# KiCad board DCTransistor_Bidirectional.kicad_pcb (continued)
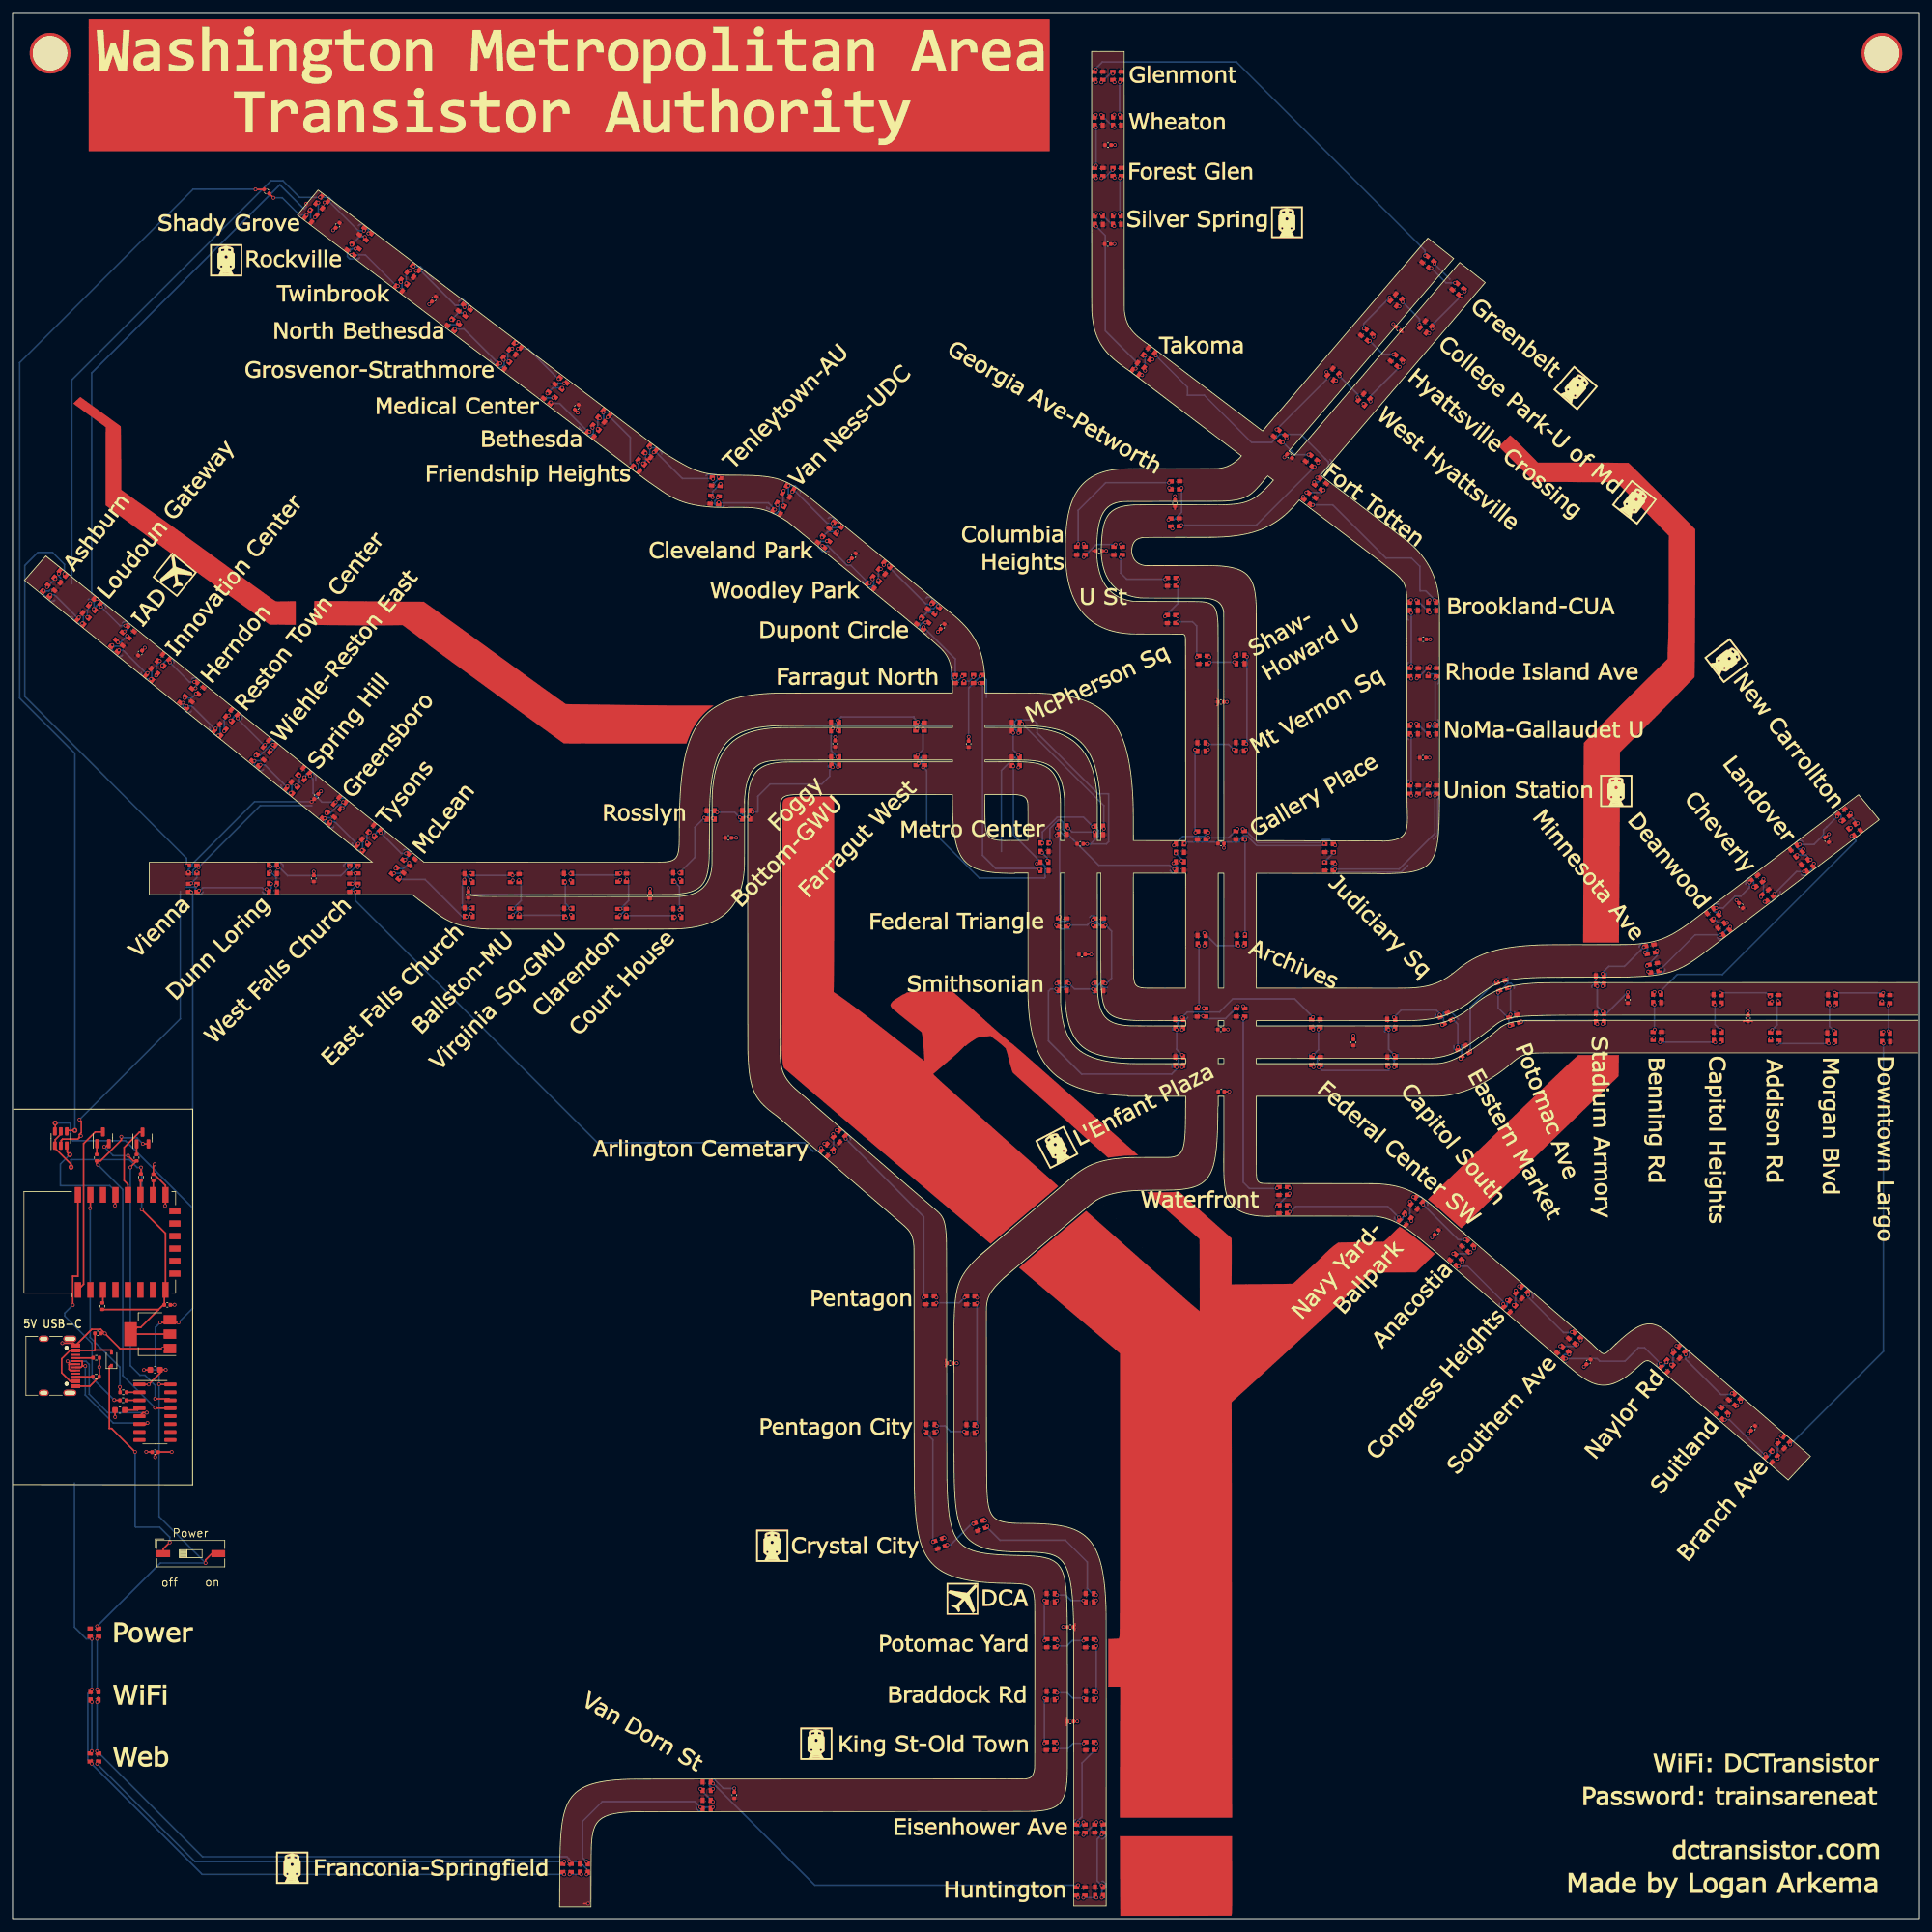
[diagram p0: board, top side]
## Routing (per net, layer and track width the routed paths; a pad name or vN(x,y) marks a point on that pad's centre or on a via; arc(x,y) is an arc through that point) (continued)
  Bottom w0.25: 208.52,136.83 209.04,136.83 209.49,136.38 209.49,136.24 ; 208.52,136.83 207.93,136.24 v1(207.93,136.24) ; 208.52,136.83 208.54,136.86 208.54,137.94 208.18,137.58 207.66,137.58 207.3,137.94 207.3,138.28 ; 131.01,222.45 131.7,222.45 v1(132.19,222.94) 132.19,223 131.07,224.12 130.55,224.12 130.38,223.96 ; 173.27,159.53 172.66,158.92 v1(172.64,158.92) ; 173.27,159.53 173.27,159.48 174.05,158.71 ; 173.27,159.53 173.27,160.05 172.91,160.41 172.39,160.41 172.17,160.2 ; 31.42,190.55 31.49,190.49 31.49,190.24 32.49,189.24 v1(32.87,189.24) 33.19,189.56 33.19,190.5 ; v1(137.48,214.23) 137.64,214.07 137.64,213.32 137.28,212.95 136.76,212.95 135.83,213.88 135.83,213.96 ; 160.2,190.29 160.8,189.69 v1(160.8,189.65) ; 160.2,190.29 159.68,190.29 ; 160.2,190.29 160.2,191.43 160.18,191.45 160.47,191.74 163.17,191.74 163.76,191.15 163.76,189.67 173.5,179.93 175.19,179.93 175.19,172.25 174.85,171.91 172.31,171.91 ; 187.85,144.19 187.22,143.56 186.66,143.56 186.25,143.97 186.25,142.91 186.33,142.83 ; v1(41.2,168.31) 41.75,168.31 42.35,168.91 42.87,168.91 43.26,168.52 43.26,168.19 ; 168.82,148.94 168.65,148.94 168.25,149.34 168.25,149.86 ; v1(55.19,165.24) 54.89,165.24 54.32,164.67 54.24,164.67 ; 146.8,209.53 147.26,209.53 147.67,209.94 v1(147.96,209.94) 147.96,210.09 146.72,211.33 146.2,211.33 146.03,211.17 ; v1(227.29,264.62) 229.72,262.19 229.72,262.18 ; 238.99,149.63 239.51,149.63 240.03,149.11 240.03,148.83 ; 238.99,149.63 237.51,148.15 v1(237.45,148.15) 237.45,145.72 239.16,144.01 ; 238.99,149.63 238.99,150.56 238.99,150.56 ; 160.79,185.26 161.26,185.72 ; 160.79,185.26 160.75,185.26 160.2,185.8 158.05,183.65 158.05,170.7 ; 160.79,185.26 v1(160.79,184.13) ; v1(260.9,154.54) 261.34,154.98 261.34,155.68 260.98,156.04 260.46,156.04 260.01,155.59 260.01,155.39 ; 227.09,172.65 227.8,173.36 227.8,179.04 227.98,179.22 227.98,179.9 227.62,180.26 227.1,180.26 226.54,179.7 v1(226.54,179.62) ; 220.89,112.25 220.89,112 221.33,111.57 221.85,111.57 222.21,111.93 222.21,112.19 v1(222.64,112.62) ; v1(166.84,149.59) 166.87,149.59 167.46,149 ; 131.9,190.78 131.9,190.1 v1(131.85,190.05) ; 131.9,190.78 131.49,191.18 ; 131.9,190.78 131.93,190.78 132.37,191.22 ; v1(265.95,91.68) 266.92,91.68 268.03,90.57 268.03,90.01 267.86,89.84 ; v1(71.28,255.38) 71.28,255.11 71.08,254.91 69.93,254.91 ; 230.39,139.65 230.39,139.16 230.75,138.8 231.27,138.8 231.63,139.16 231.63,139.51 ; 5.99,212.51 5.82,212.34 5.01,212.34 v1(4.95,212.4) 4.95,211.76 6,210.71 6.58,210.71 6.75,210.88 ; 12.08,210.94 12.15,211 12.67,211 13.03,210.64 13.03,209.53 v1(12.96,209.46) 13.53,210.03 13.53,210.07 13.89,210.43 14.41,210.43 14.94,209.91 14.94,209.66 ; 62.55,170.95 62.63,171.02 63.15,171.02 63.51,170.66 63.51,170.14 63.15,169.78 63.14,169.78 v1(62.76,169.4) ; 174.12,6.09 174.35,6.09 174.71,5.73 174.71,5.21 174.1,4.6 v1(174.1,3.5) ; v1(185.55,168.83) 185.62,168.83 186.3,168.15 186.3,167.63 185.94,167.27 185.42,167.27 185.06,167.63 185.06,167.72 ; v1(56.88,269.49) 56.88,270.08 56.06,270.9 55.45,270.9 55.28,270.73 ; v1(196.64,174.3) 196.87,174.3 199.06,172.11 209.04,172.11 209.04,172.24 209.39,172.59 210.51,172.59 v1(211.41,171.69) ; 237.65,98.47 237.65,98.11 238.01,97.75 238.53,97.75 238.89,98.11 238.89,98.97 v1(238.86,99) ; 167.46,149 167.46,148.48 167.1,148.12 166.75,148.12 ; 167.46,149 168.57,149 ; 113.2,227.26 112.72,227.26 v1(112.7,227.28) 112.7,227.21 112.25,226.76 112.25,226.24 112.69,225.81 113.58,225.81 113.75,225.98 ; 209.35,142.23 209.35,142.52 208.99,142.88 208.47,142.88 207.88,142.29 v1(207.88,142.23) ; 9.55,208.26 9.55,208.01 10.4,207.16 v1(11.14,207.16) 11.32,207.34 11.32,208.22 ; 221.45,138.26 221.45,137.94 220.85,137.34 220.85,137.3 ; v1(220.8,142.22) 220.8,142.24 220.21,142.83 219.69,142.83 219.33,142.47 219.33,141.95 219.39,141.89 ; 125.95,228.06 125.95,228.31 125.1,229.16 v1(124.03,229.16) 124.01,229.14 124.01,227.85 ; 133.96,124.66 133.96,124.91 132.7,126.16 v1(131.72,126.16) ; 44.64,181.27 44.64,180.25 v1(44.46,180.07) 43.91,180.07 42.91,181.06 42.91,181.31 ; 97.71,161.11 97.13,160.52 v1(97.07,160.52) ; 243,99.36 243.01,99.37 243.01,99.96 241.75,101.21 v1(240.79,101.21) ; 169.9,15.96 169.71,15.77 169.71,15.25 170.07,14.89 170.59,14.89 171.17,15.47 v1(171.17,15.54) ; 101.85,234.18 101.85,235.24 v1(101.85,235.24) 103.03,235.24 103.78,234.5 103.78,234.25 ; 282.57,164.29 282.56,164.28 282.56,164.03 281.19,162.67 v1(280.03,162.67) ; v1(151.8,198.69) 151.01,197.9 150.42,197.9 150.06,198.26 150.06,199.92 150.23,200.09 ; 76.42,249.32 76.42,249.24 77.58,248.08 78.22,248.08 78.59,248.45 78.59,249.21 v1(78.52,249.28) 78.48,249.28 78.13,249.63 ; 159.68,190.29 159.32,189.93 159.32,189.53 ; 159.68,190.29 159.68,191.52 159.69,191.53 ; 112.11,229.61 112.19,229.61 112.84,230.26 v1(112.84,230.57) 112.45,230.95 111.02,230.95 110.83,230.76 ; 231.63,139.51 231.63,137.72 v1(231.46,137.55) ; 231.63,139.51 231.63,139.78 231.64,139.79 ; 36.7,191.84 36.7,192.32 36.32,192.7 35.8,192.7 35.44,192.34 35.44,192.26 v1(34.83,191.65) ; 220.85,137.3 220.21,137.94 220.21,138.12 ; 220.85,137.3 v1(220.85,136.21) ; v1(64.12,264.21) 65.2,264.21 67.29,262.12 ; 120.55,225.76 120.55,225.55 120.93,225.55 120.96,225.52 120.96,225.39 121.61,224.74 122.14,224.74 122.51,225.1 122.51,225.81 v1(122.25,226.07) 122.03,226.07 121.79,226.3 ; v1(17.94,205.88) 17.97,205.88 18.63,206.54 18.63,207.06 18.27,207.42 17.75,207.42 17.58,207.26 ; v1(211.43,168.73) 211.38,168.73 210.79,168.14 210.79,167.62 211.15,167.26 211.86,167.26 212.03,167.43 221.97,167.43 223.04,168.5 ; 173.33,148.99 173.33,149.11 174.03,149.8 ; 173.33,148.99 172.75,149.57 v1(172.7,149.57) ; 173.33,148.99 173.33,148.47 172.97,148.11 172.63,148.11 ; v1(264.4,89.07) 264.05,88.72 264.05,88.57 263.69,88.21 263.17,88.21 262.81,88.57 262.81,88.81 ; v1(228.53,142.96) 228.73,143.16 228.73,144.95 ; 22.25,199.46 22.25,198.4 v1(22.13,198.28) 21.38,198.28 20.58,199.07 20.58,199.32 ; v1(86.42,243.2) 85.45,243.2 85.45,243.2 ; v1(248.81,90.3) 248.05,90.3 247.65,89.9 247.65,89.38 248.01,89.02 248.34,89.02 ; 145.28,184.75 145.28,185.82 144.98,185.52 144.42,185.52 144.06,185.88 144.06,186.07 ; 145.28,184.75 145.8,184.75 146.16,184.39 146.16,184.25 ; 145.28,184.75 144.82,184.75 v1(144.8,184.77) ; 264.12,151.92 264.12,151.67 263.67,151.23 261.73,151.23 v1(261.44,151.52) ; 61.91,167.22 61.9,167.21 v1(60.98,167.21) ; 253.02,149.8 252.43,149.21 252.43,149 ; 253.02,149.8 253.56,149.8 254.15,149.21 v1(254.15,149.16) ; 253.02,149.8 253.02,151.22 253.71,150.53 254.41,150.53 254.77,150.89 254.77,151.31 ; v1(47.52,273.24) 47.64,273.12 47.64,272.04 47.64,272.04 ; 290.99,176.27 290.99,176.52 291.37,176.9 291.89,176.9 292.25,176.54 292.25,175.68 v1(292.18,175.61) ; 226.19,114.17 226.19,114.42 225.14,115.47 v1(223.9,115.47) ; v1(23.94,200.46) 23.94,200.62 24.88,201.56 25.4,201.56 25.84,201.12 25.84,200.87 ; 54.31,172.03 54.3,172.02 54.3,171.78 55.19,170.9 v1(55.85,170.9) 55.96,171.01 55.96,172.26 ; 168.57,149 168.58,148.99 ; 168.57,149 168.25,149.32 168.25,149.86 ; v1(111.9,176.02) 111.9,176.62 112,176.71 112,177.23 ; 174.06,12.9 174.31,12.9 174.71,13.3 174.71,13.82 174.08,14.45 v1(174.08,15.56) ; 185.94,138.35 186.33,137.96 186.33,136.84 ; 116.98,176.3 117.04,176.24 v1(117.69,176.24) 117.69,176.7 117.65,176.74 117.65,177.26 118.01,177.62 118.18,177.62 ; 116.98,176.3 116.51,176.77 116.35,176.77 ; 116.98,176.3 116.98,176 116.51,175.53 116.18,175.53 ; 95.87,240.41 95.37,240.91 94.46,240.91 v1(94.43,240.89) 94.48,240.84 94.48,239.86 ; 227.82,191.77 227.97,191.62 227.97,190.89 227.63,190.55 227.08,190.55 v1(226.49,191.14) ; 62.25,260.76 62.25,261.53 v1(62.08,261.7) ; 71.33,258.65 71.56,258.88 72.08,258.88 72.44,258.52 72.44,258.37 v1(73.06,257.75) ; 239.16,144.01 239.16,142.96 v1(239.28,142.84) ; 239.16,144.01 239.68,144.01 240.07,144.4 240.07,145.08 ; 186.33,136.84 185.81,136.84 185.35,136.38 185.35,136.15 ; 186.33,136.84 186.93,136.24 v1(186.93,136.23) ; v1(57.76,173.31) 58.24,173.79 58.24,173.93 58.6,174.29 59.12,174.29 59.57,173.85 59.57,173.6 ; 168.25,149.86 168.61,150.22 168.83,150.22 ; v1(29.25,196.79) 29.25,197.11 29.71,197.58 29.71,198.1 29.35,198.46 28.83,198.46 28.66,198.29 ; 52.92,168.27 52.92,168.52 53.3,168.89 54.51,168.89 v1(55.2,168.21) 54.78,168.21 54.1,167.53 ; 228.73,144.95 228.74,144.96 230.04,144.96 231.08,143.92 231.08,143.89 ; 228.73,144.95 228.73,144.35 228.37,143.99 227.85,143.99 227.49,144.35 227.49,144.64 ; 174.05,158.71 174.31,158.45 ; 174.05,158.71 174.05,159.15 174.45,159.55 174.65,159.55 ; 253.39,145.24 253.39,144.99 253.89,144.5 254.48,144.5 v1(258.18,148.2) ; v1(281.29,74.76) 280.78,74.25 280.78,74.13 280.42,73.77 279.9,73.77 278.86,74.81 ; v1(186.92,142.17) 186.92,142.24 186.33,142.83 ; 28.58,193.12 28.41,192.95 27.89,192.95 27.23,193.61 27.23,194.21 27.24,194.23 v1(27.24,194.47) ; 172.31,171.91 v1(171.76,171.91) ; 172.31,171.91 173.55,173.14 173.55,174.08 172.97,174.66 v1(172.7,174.66) 171.17,176.19 166.98,176.19 164.62,173.83 v1(164.62,172.04) ; v1(287.92,168.78) 287.92,168.2 286.59,166.87 286.06,166.87 285.89,167.04 ; 174.98,148.96 174.45,148.96 174.03,149.38 174.03,149.8 ; 92.47,238.43 v1(92.71,238.43) 92.85,238.29 92.85,237.54 92.48,237.17 91.95,237.17 90.59,238.53 90.59,238.28 ; v1(7.41,215.09) 7.41,214.72 7.73,214.4 ; v1(41.34,186.95) 41.69,186.95 42.24,187.51 42.24,188.03 41.88,188.39 41.36,188.39 41.22,188.25 ; 72.66,166.77 72.66,166.76 v1(73.28,166.14) ; 48.48,181.98 48.48,182.73 47.8,183.41 47.27,183.41 46.92,183.06 46.92,182.85 v1(46.64,182.57) ; 27.79,164.99 27.81,165.01 29.06,165.01 v1(29.35,165.3) 29.35,164.89 29.2,164.73 29.2,164.21 29.56,163.85 30.08,163.85 30.44,164.21 30.44,164.25 ; v1(115.37,20.94) 113.61,20.94 113.56,20.99 113.56,21.02 112.24,22.34 111.72,22.34 111.36,21.98 111.36,21.46 111.95,20.87 v1(111.97,20.87) ; 272.78,162.31 272.06,162.31 271.69,161.94 271.69,161.42 272.11,161 v1(272.84,161) ; 87.16,245.55 87.17,245.54 v1(88.16,245.54) ; 227.82,197.51 227.99,197.68 227.99,198.65 227.55,199.09 v1(226.29,199.09) ; 9.49,213.48 9.49,246.1 41.3,277.91 43.23,277.91 45.88,275.26 v1(49.15,275.26) 50.58,275.26 52.45,273.39 ; 110.6,175.49 110.84,175.49 111.2,175.85 111.2,176.93 110.9,177.23 112,177.23 ; v1(80,160.54) 80,160.56 80.68,161.24 80.68,161.25 ; v1(226.47,210.88) 226.53,210.88 226.6,210.81 ; 144.07,191.22 144.07,190.84 v1(144.58,190.33) 144.58,190.48 144.9,190.8 144.97,190.8 145.29,191.11 ; 28.84,166.98 28.83,166.99 28.83,167.71 29.31,168.19 v1(29.75,168.19) 39.6,178.04 47.85,178.04 ; 16.96,203.52 16.13,203.52 v1(15.95,203.7) 15.95,202.82 16.86,201.91 17.38,201.91 17.55,202.07 ; 210.57,233.36 210.79,233.15 210.79,231.85 208.69,229.75 v1(208.04,229.75) ; 223.13,207.7 222.93,207.9 222.93,210.27 v1(223.53,210.87) ; v1(223.56,191.16) 222.94,190.54 222.94,188.76 223.12,188.58 ; v1(88.18,7.22) 30.31,7.22 12.66,24.87 v1(12.66,24.9) 12.05,25.51 12.05,36.14 v1(12.67,36.76) v1(12.67,44.85) 11.79,44.85 9.9,46.74 9.9,69.76 ; 130.5,218.68 129.43,218.68 128.82,219.28 128.82,220.21 128.89,220.28 130.13,220.28 v1(130.16,220.31) 130.16,220.05 ; 186.33,142.83 185.81,142.83 185.45,142.47 185.45,142.13 ; 39.93,164.24 40.29,163.88 40.85,163.88 41.21,164.24 41.21,164.76 41.34,164.88 v1(41.34,165.55) ; v1(99.98,232.92) 100.05,232.85 100.05,232.07 ; v1(278.25,165.04) 278.29,165.08 278.29,166.01 277.93,166.37 277.41,166.37 277.05,166.01 277.05,165.48 277.06,165.47 ; 223.09,200.92 222.96,200.79 222.96,198.97 v1(223.59,198.34) ; 26.81,164.35 26.81,143.96 v1(10.7,127.85) ; v1(274.55,158.66) 274.39,158.66 273.48,157.75 273.59,157.64 273.59,157.12 273.23,156.76 272.67,156.76 272.5,156.93 ; 109.32,17.92 109.32,17.7 109.68,17.34 110.2,17.34 110.82,17.96 v1(111.94,17.96) ; v1(185.63,171.68) 187.06,173.11 190.49,173.11 191.12,173.73 v1(191.14,173.73) ; 174.03,149.8 174.4,150.17 ; 54.82,266.75 v1(54.82,267.04) 54.26,267.04 53.53,266.31 53.53,265.79 53.9,265.42 55.31,265.42 55.48,265.59 ; 286.14,172.27 285.97,172.44 285.39,172.44 285.03,172.08 285.03,171.56 285.48,171.11 v1(286.21,171.11) ; v1(131.93,184.19) 131.93,184.21 131.34,184.8 130.82,184.8 130.4,184.39 130.4,184.14 ; 112,177.23 112.27,177.5 ; v1(152.82,189.03) 152.82,196.83 v1(154.7,198.71) 155.09,198.71 155.68,198.12 155.68,195.31 ; 50.8,176.1 50.02,176.1 v1(49.92,176) 49.92,175.26 50.68,174.5 51.2,174.5 51.35,174.65 ; 168.47,172.85 168.47,172.87 v1(166.93,174.41) ; 223.12,182.13 223.12,182.12 222.95,181.95 222.95,181.33 223.58,180.7 v1(223.58,179.63) ; 52.54,179.19 52.57,179.22 53.11,179.22 53.47,178.86 53.47,178.34 52.77,177.63 v1(52.75,177.63) ; 39.58,185.21 38.71,185.21 v1(38.67,185.17) 38.67,184.4 39.43,183.64 39.95,183.64 40.12,183.81 ; 168.74,159.56 167.43,159.56 v1(166.81,158.94) 167.43,158.32 168.99,158.32 ; 146.07,205.46 146.07,205.46 145.85,205.46 145.01,206.3 145.01,206.82 145.48,207.3 v1(145.94,207.3)
  vias: v1(13.87,88.3)
